# Altium PCB CABLE_JIG_TEST_PCB.PcbDoc (part 3 of 4)
Units mm, origin at the board's own origin, x right, y up, seen from the top; angles counter-clockwise.
Board outline 142.11 x 114.81 mm, 4 copper layers (Top Layer 1, Top Layer, Bottom Layer, Bottom Layer 1), stack 0.602 mm thick; 381 components, 359 nets, 1475 pads, 589 vias.
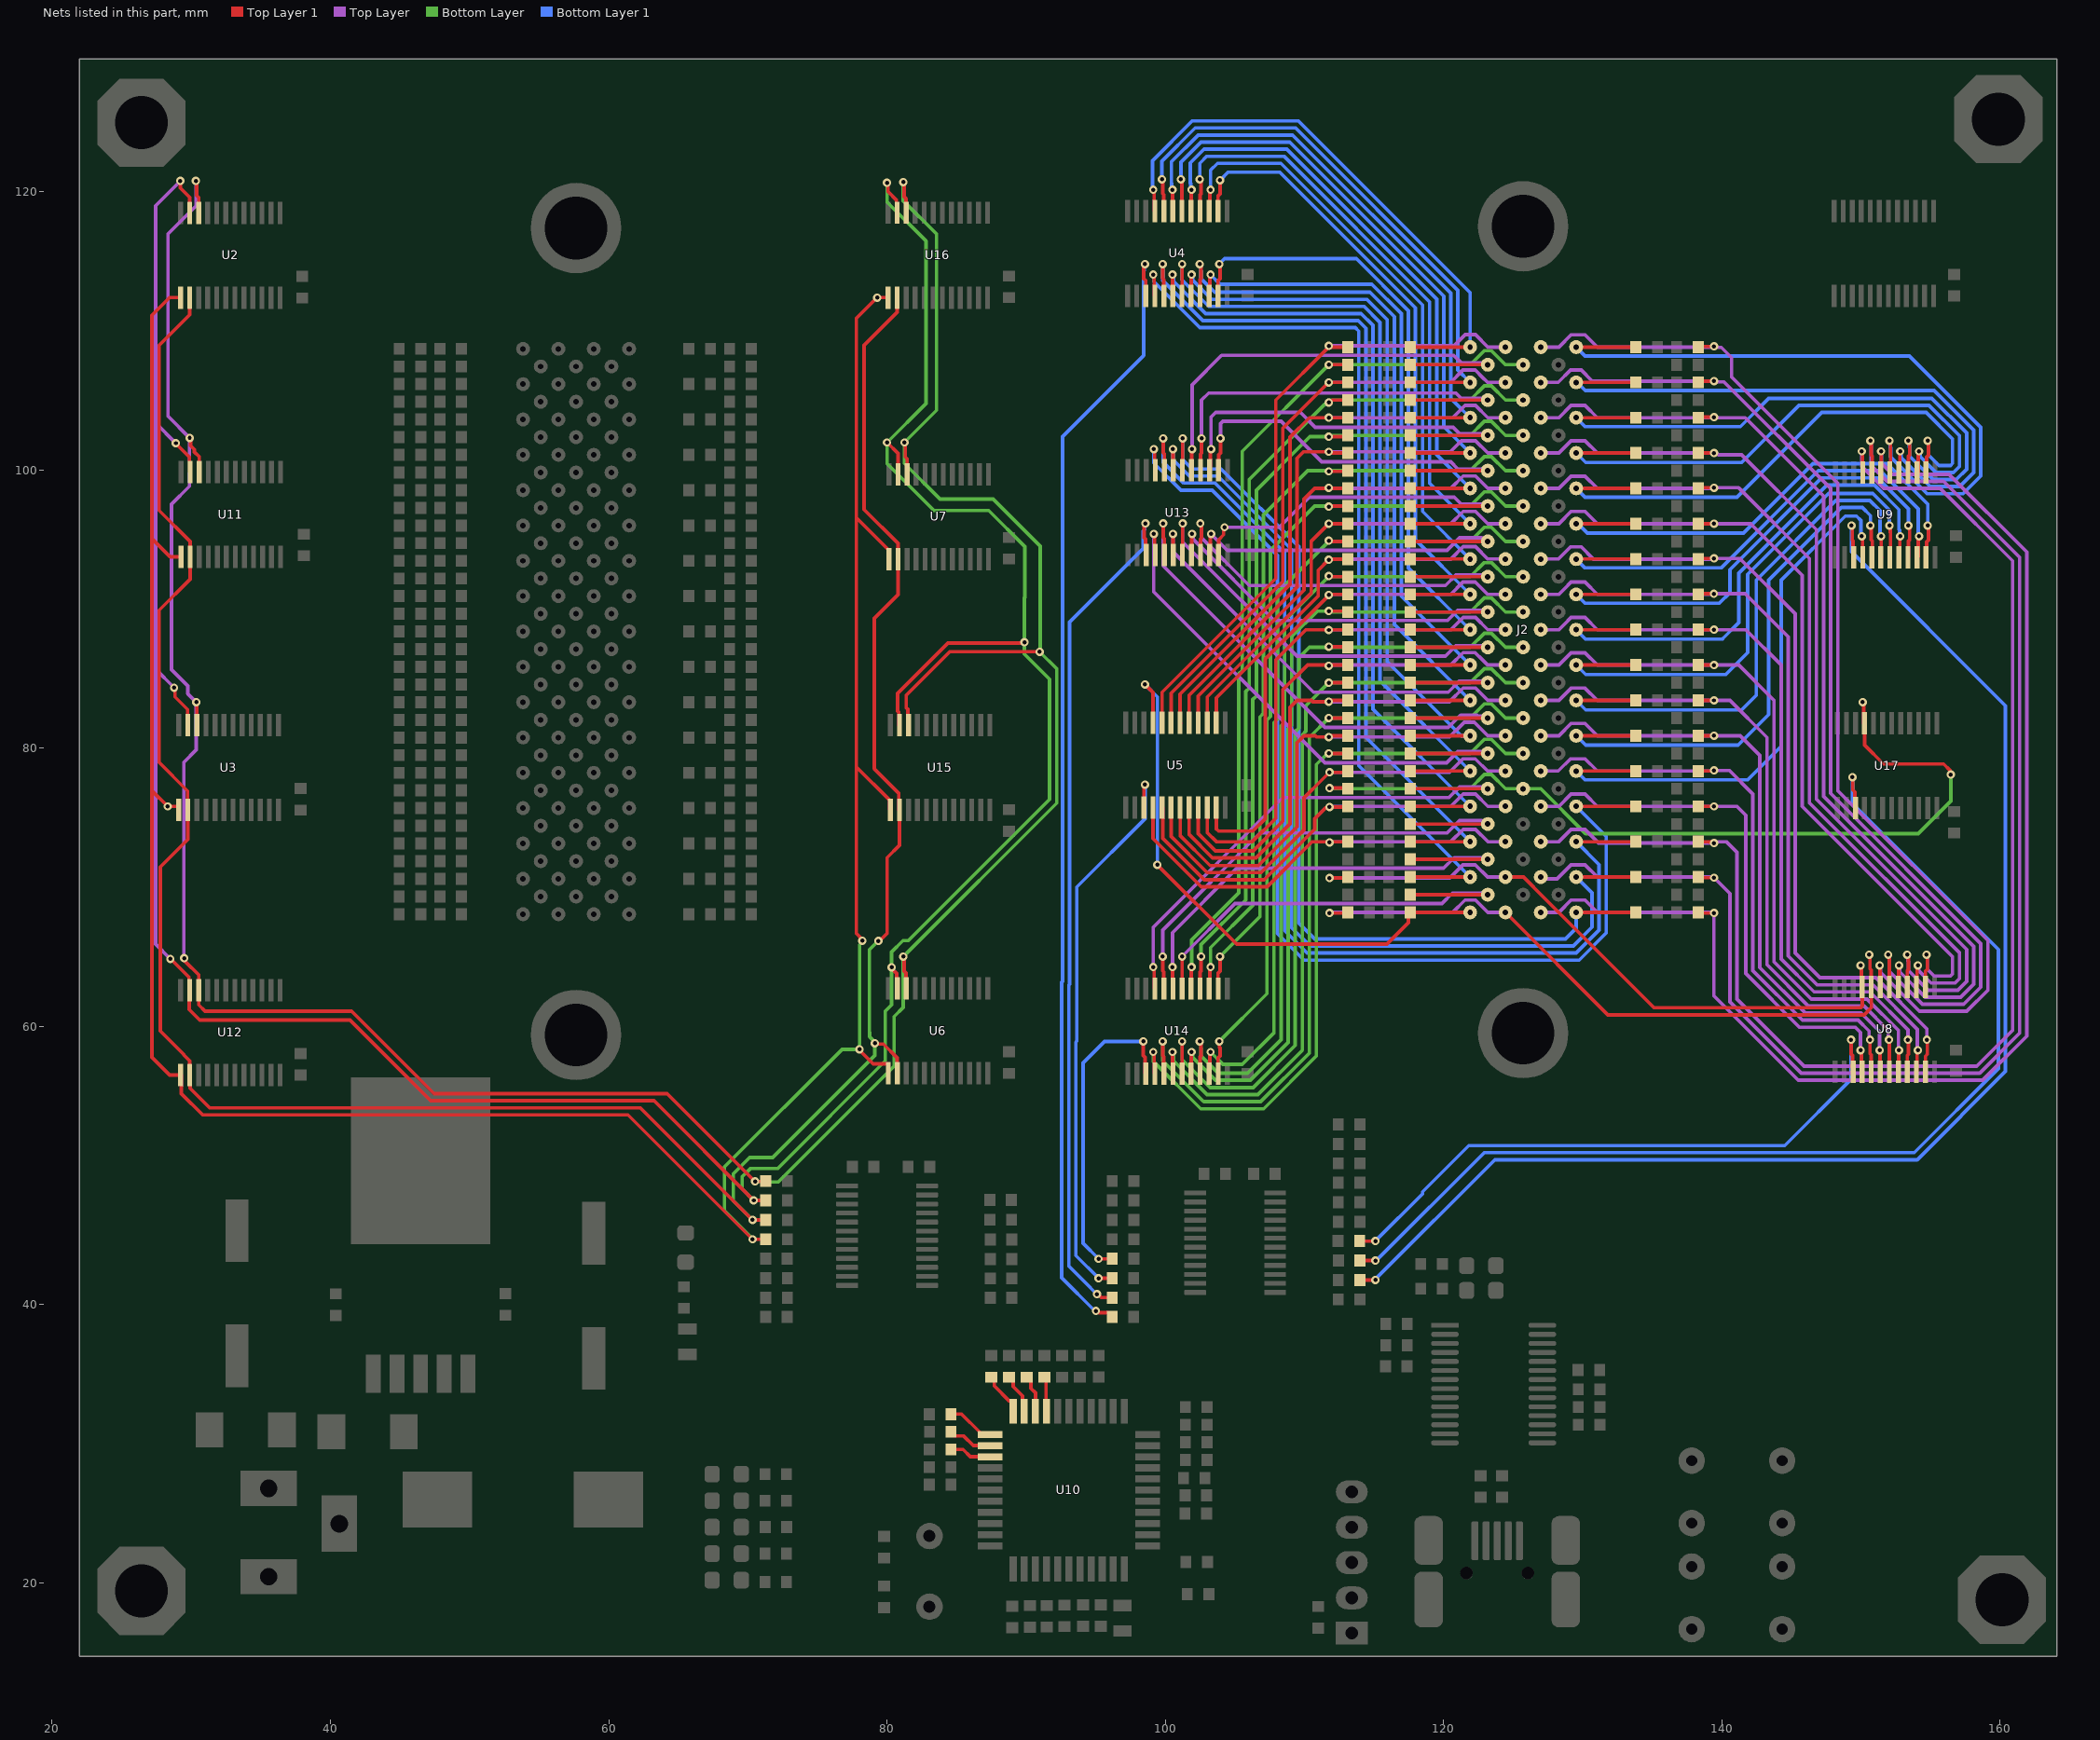
[diagram p5: the nets of this part, all layers, seen from the top]

## Via types
v1: diameter 0.6, hole 0.3, Top Layer 1 to Bottom Layer 1, 556 vias
v2: diameter 1, hole 0.5, Top Layer 1 to Bottom Layer 1, 33 vias

## Nets (pads, with @x,y where several pads share a name; then routed paths per layer and width w, separated by ;. In a path a pad name is that pad's centre, name@x,y a point inside that pad or via, vN(x,y) a via of type N, cw(c..) or ccw(c..) an arc to the next point about the centre after c; other vN are vias at no path point) (continued)
AS0: R236.1 U2.10 U3.10 U6.10 U7.10 U11.10 U12.10 U15.10 U16.10 | length 226.4
  Top Layer 1 w0.254: v1(29.49,64.902) 29.557,64.836 29.557,64.688 30.532,63.713 U12.10@30.532,62.615 30.532,61.543 30.988,61.087 41.529,61.087 47.45,55.166 64.207,55.166 v1(70.518,48.855) 71.259,48.855 R236.1@71.293,48.889 ; v1(29.884,102.302) 29.95,102.235 29.95,101.75 30.226,101.474 30.226,101.293 30.567,100.952 U11.10@30.567,99.854 ; v1(30.331,120.777) 30.388,120.72 30.388,119.733 30.532,119.589 U2.10@30.532,118.491 ; v1(30.353,83.312) 30.405,83.26 U3.10@30.405,81.661 ; v1(81.171,65.024) 81.228,64.967 81.228,63.98 81.372,63.836 U6.10@81.372,62.738 ; v1(81.178,120.694) 81.235,120.637 81.235,119.65 81.379,119.506 U16.10@81.379,118.408 ; v1(81.258,101.981) 81.315,101.924 81.315,100.937 81.459,100.793 U7.10@81.459,99.695 ; U15.10@81.532,81.663 81.495,81.7 81.495,82.798 81.388,82.904 81.388,83.801 84.525,86.938 v1(90.972,86.938)
  Top Layer w0.254: v1(29.49,64.902) 29.464,64.928 29.464,78.994 30.353,79.883 v1(30.353,83.312) 29.746,83.919 29.746,84.483 28.575,85.654 28.575,97.536 29.871,98.832 29.871,102.289 v1(29.884,102.302) 28.321,103.864 28.321,116.967 30.331,118.977 v1(30.331,120.777)
  Bottom Layer w0.254: v1(70.518,48.855) 70.552,48.821 72.189,48.821 80.518,57.15 80.518,60.714 81.171,61.367 v1(81.171,65.024) 92.202,76.055 92.202,85.708 v1(90.972,86.938) 91.013,86.978 91.013,94.534 87.63,97.917 83.82,97.917 81.258,100.479 v1(81.258,101.981) 83.566,104.289 83.566,116.967 81.178,119.355 v1(81.178,120.694)
AS1: R238.1 U2.11 U3.11 U6.11 U7.11 U11.11 U12.11 U15.11 U16.11 | length 233.6
  Top Layer 1 w0.254: v1(28.494,64.86) 28.505,64.86 29.832,63.534 29.832,62.665 U12.11@29.882,62.615 29.845,62.578 29.845,61.214 30.607,60.452 41.402,60.452 47.196,54.658 63.264,54.658 v1(70.426,47.496) 71.289,47.496 R238.1@71.293,47.492 ; v1(28.762,84.356) 28.829,84.29 28.829,84.045 28.829,83.693 29.737,82.785 U3.11@29.737,81.915 ; v1(28.888,101.931) 28.888,101.913 29.867,100.934 29.867,99.904 U11.11@29.917,99.854 U11.11@29.921,99.85 ; v1(29.21,120.777) 29.21,120.269 29.882,119.597 U2.11@29.882,118.491 ; v1(80.01,101.981) 80.794,101.197 U7.11@80.794,99.699 ; v1(80.01,120.65) 80.076,120.584 80.076,120.014 80.677,119.414 80.677,118.545 U16.11@80.727,118.495 U16.11@80.731,118.491 ; v1(80.341,64.253) 80.341,64.159 80.692,63.809 80.692,62.788 U6.11@80.742,62.738 ; U15.11@80.895,81.663 80.845,81.713 80.845,82.604 80.772,82.677 80.772,83.947 84.394,87.569 89.838,87.569 v1(89.887,87.619)
  Top Layer w0.254: v1(28.494,64.86) 28.481,64.86 27.432,65.909 27.432,85.686 ; v1(28.762,84.356) 27.432,85.686 ; v1(28.888,101.931) 27.432,103.387 ; v1(29.21,120.777) 27.432,118.999 27.432,103.387 ; 27.432,85.686 27.432,103.387
  Bottom Layer w0.254: v1(70.426,47.496) 69.596,48.326 69.596,49.199 70.181,49.784 72.136,49.784 79.883,57.531 79.883,61.087 80.341,61.545 v1(80.341,64.253) 80.341,65.355 81.153,66.167 81.534,66.167 91.694,76.327 91.694,84.963 89.887,86.77 v1(89.887,87.619) 89.887,90.807 89.916,90.836 89.916,94.488 87.313,97.091 83.376,97.091 80.01,100.457 v1(80.01,101.981) 82.804,104.775 82.804,116.459 80.01,119.253 v1(80.01,120.65)
AS2: R241.1 U2.14 U3.14 U6.14 U7.14 U11.14 U12.14 U15.14 U16.14 | length 186.9
  Top Layer 1 w0.254: U3.14@29.737,75.815 29.737,76.925 27.686,78.976 27.686,89.916 29.917,92.147 U11.14@29.917,93.754 ; U3.14@29.755,75.561 29.755,73.443 27.771,71.459 27.771,59.676 29.468,57.979 29.468,57.945 29.886,57.527 29.886,56.515 29.924,56.477 29.924,55.547 31.321,54.15 62.283,54.15 v1(70.338,46.095) R241.1@71.293,46.095 ; U2.14@29.882,112.391 29.882,111.162 27.686,108.966 27.686,97.095 29.921,94.86 U11.14@29.921,93.75 ; v1(79.13,58.795) 79.196,58.729 79.751,58.729 80.742,57.738 U6.14@80.742,56.638 ; v1(79.381,66.153) 79.475,66.153 80.01,66.688 80.01,72.136 80.895,73.021 U15.14@80.895,75.563 80.845,75.613 80.845,76.776 79.094,78.526 79.094,89.337 80.794,91.037 U7.14@80.794,93.599 80.794,94.72 78.359,97.155 78.359,108.966 80.727,111.334 U16.14@80.727,112.395
  Bottom Layer w0.254: v1(70.338,46.095) 68.961,47.472 68.961,49.403 70.129,50.571 71.78,50.571 79.13,57.921 v1(79.13,58.795) 79.13,58.889 78.755,59.264 78.755,59.563 78.74,59.578 78.74,65.512 v1(79.381,66.153)
AS3: R243.1 U2.13 U3.13 U6.13 U7.13 U11.13 U12.13 U15.13 U16.13 | length 197.4
  Top Layer 1 w0.254: U3.13@29.087,75.815 29.083,75.819 v1(28.303,75.819) 27.178,76.944 ; U2.13@29.232,112.391 29.228,112.395 28.448,112.395 27.178,111.125 27.178,95.063 ; U11.13@29.267,93.754 28.487,93.754 27.178,95.063 ; R243.1@71.293,44.698 v1(70.338,44.698) 61.394,53.642 30.813,53.642 29.282,55.173 29.282,56.465 U12.13@29.232,56.515 28.452,56.515 27.178,57.789 27.178,76.944 ; v1(78.033,58.355) 78.033,58.292 79.013,57.313 80.042,57.313 80.092,57.263 U6.13@80.092,56.638 ; v1(78.232,66.167) 78.232,66.261 77.805,66.688 77.805,78.659 ; U16.13@80.077,112.395 v1(79.297,112.395) 77.805,110.903 77.805,96.563 ; U7.13@80.144,93.599 80.144,94.224 77.805,96.563 ; U15.13@80.245,75.563 80.195,75.613 80.195,76.269 77.805,78.659 ; 27.178,76.944 27.178,95.063 ; 77.805,78.659 77.805,96.563
  Bottom Layer w0.254: v1(70.338,44.698) 70.338,44.752 68.326,46.764 68.326,49.911 76.77,58.355 v1(78.033,58.355) 78.033,65.875 78.232,66.073 v1(78.232,66.167)
B1_ENABLE: R260.1 U4.15 | length 82.5
  Top Layer 1 w0.254: v1(95.02,39.542) 95.113,39.542 95.241,39.415 95.919,39.415 96.185,39.148 R260.1@96.185,39.11 ; v1(98.552,114.804) 98.552,114.71 98.46,114.618 98.46,113.76 98.604,113.616 U4.15@98.604,112.518
  Bottom Layer 1 w0.254: v1(95.02,39.542) 94.957,39.542 92.568,41.931 92.568,63.188 92.629,63.249 92.629,102.408 98.46,108.239 98.46,114.324 98.486,114.35 98.486,114.738 v1(98.552,114.804)
B1_Z_MCU: R39.1 U10.22 | length 3.2
  Top Layer 1 w0.254: R39.1@87.503,34.785 87.713,34.575 87.713,34.159 88.772,33.1 88.946,33.1 89.073,32.973 U10.22@89.073,32.338
B1Y0: J2.A1 R10.1 U4.9 | length 41.2
  Top Layer 1 w0.254: v1(99.141,120.142) 99.204,120.079 99.204,118.668 U4.9@99.254,118.618 ; R10.1@117.488,108.839 117.489,108.84 J2.A1@121.92,108.84
  Bottom Layer 1 w0.254: v1(99.141,120.142) 99.084,120.199 99.084,122.234 101.945,125.095 109.582,125.095 121.92,112.757 J2.A1@121.92,108.84
B1Y1: J2.A2 R27.1 U4.8 | length 42.2
  Top Layer 1 w0.254: v1(99.765,120.904) 99.822,120.847 99.822,119.88 99.904,119.798 U4.8@99.904,118.618 ; R27.1@117.488,106.299 117.489,106.3 J2.A2@121.92,106.3
  Bottom Layer 1 w0.254: v1(99.765,120.904) 99.765,122.197 102.155,124.587 109.372,124.587 121.039,112.92 121.039,107.181 J2.A2@121.92,106.3
B1Y2: J2.A3 R11.1 U4.7 | length 43.1
  Top Layer 1 w0.254: v1(100.523,120.142) 100.539,120.126 100.539,118.633 U4.7@100.554,118.618 ; R11.1@117.488,103.759 117.489,103.76 J2.A3@121.92,103.76
  Bottom Layer 1 w0.254: v1(100.523,120.142) 100.457,120.208 100.457,120.611 100.446,120.622 100.446,122.159 102.366,124.079 109.161,124.079 120.531,112.709 120.531,105.149 J2.A3@121.92,103.76
B1Y3: J2.A4 R28.1 U4.6 | length 44.1
  Top Layer 1 w0.254: v1(101.127,120.904) 101.127,120.81 101.204,120.733 U4.6@101.204,118.618 ; R28.1@117.488,101.219 117.489,101.22 J2.A4@121.92,101.22
  Bottom Layer 1 w0.254: v1(101.127,120.904) 101.127,122.122 102.576,123.571 108.951,123.571 120.023,112.499 120.023,103.117 J2.A4@121.92,101.22
B1Y4: J2.A5 R12.1 U4.5 | length 45.1
  Top Layer 1 w0.254: U4.5@101.854,118.618 101.877,118.641 101.877,120.119 v1(101.9,120.142) ; R12.1@117.488,98.679 117.489,98.68 J2.A5@121.92,98.68
  Bottom Layer 1 w0.254: v1(101.9,120.142) 101.834,120.208 101.834,120.596 101.808,120.622 101.808,122.084 102.787,123.063 108.741,123.063 119.515,112.289 119.515,101.085 J2.A5@121.92,98.68
B1Y5: J2.A6 R29.1 U4.4 | length 46.1
  Top Layer 1 w0.254: v1(102.489,120.904) 102.489,120.81 102.581,120.718 102.581,119.86 102.504,119.783 U4.4@102.504,118.618 ; R29.1@117.488,96.139 117.489,96.14 J2.A6@121.92,96.14
  Bottom Layer 1 w0.254: v1(102.489,120.904) 102.489,122.047 102.997,122.555 108.53,122.555 119.007,112.078 119.007,99.053 J2.A6@121.92,96.14
B1Y6: J2.A7 R13.1 U4.3 | length 46.8
  Top Layer 1 w0.254: U4.3@103.154,118.618 103.204,118.668 103.204,120.084 v1(103.262,120.142) ; R13.1@117.488,93.599 117.489,93.6 J2.A7@121.92,93.6
  Bottom Layer 1 w0.254: v1(103.262,120.142) 103.262,121.55 103.759,122.047 108.32,122.047 118.499,111.868 118.499,97.021 J2.A7@121.92,93.6
B1Y7: J2.A8 R30.1 U4.2 | length 47.3
  Top Layer 1 w0.254: U4.2@103.804,118.618 103.804,119.721 103.943,119.86 v1(103.943,120.831) ; R30.1@117.488,91.059 117.489,91.06 J2.A8@121.92,91.06
  Bottom Layer 1 w0.254: v1(103.943,120.831) 104.524,121.412 108.236,121.412 117.991,111.657 117.991,94.989 J2.A8@121.92,91.06
B1Y8: J2.A9 R14.1 U4.23 | length 46.9
  Top Layer 1 w0.254: U4.23@103.804,112.518 103.804,113.621 103.943,113.76 103.943,114.747 v1(103.886,114.804) ; R14.1@117.488,88.519 117.489,88.52 J2.A9@121.92,88.52
  Bottom Layer 1 w0.254: v1(103.886,114.804) 104.271,115.189 113.741,115.189 117.483,111.447 117.483,92.957 J2.A9@121.92,88.52
B1Y9: J2.A10 R31.1 U4.22 | length 48.2
  Top Layer 1 w0.254: U4.22@103.154,112.518 103.204,112.568 103.204,113.985 v1(103.262,114.042) ; R31.1@117.488,85.979 117.489,85.98 J2.A10@121.92,85.98
  Bottom Layer 1 w0.254: v1(103.262,114.042) 103.943,113.361 114.85,113.361 116.975,111.237 116.975,90.925 J2.A10@121.92,85.98
B1Y10: J2.A11 R15.1 U4.21 | length 52.7
  Top Layer 1 w0.254: v1(102.489,114.804) 102.489,114.71 102.581,114.618 102.581,113.76 102.504,113.683 U4.21@102.504,112.518 ; R15.1@117.488,83.439 117.489,83.44 J2.A11@121.92,83.44
  Bottom Layer 1 w0.254: v1(102.489,114.804) 102.555,114.738 102.555,114.35 102.581,114.324 102.581,113.76 103.565,112.776 114.717,112.776 116.467,111.026 116.467,88.893 J2.A11@121.92,83.44
B1Y11: J2.A12 R32.1 U4.20 | length 54.3
  Top Layer 1 w0.254: U4.20@101.854,112.518 101.877,112.541 101.877,114.019 v1(101.9,114.042) ; R32.1@117.488,80.899 117.489,80.9 J2.A12@121.92,80.9
  Bottom Layer 1 w0.254: v1(101.9,114.042) 101.966,113.976 101.966,113.656 103.355,112.268 114.507,112.268 115.951,110.824 115.951,86.233 121.284,80.9 J2.A12@121.92,80.9
B1Y12: J2.A13 R16.1 U4.19 | length 58.3
  Top Layer 1 w0.254: U4.19@101.204,112.518 101.211,112.526 101.211,114.797 v1(101.219,114.804) ; R16.1@117.488,78.359 117.489,78.36 J2.A13@121.92,78.36
  Bottom Layer 1 w0.254: v1(101.219,114.804) 101.219,113.665 103.124,111.76 113.919,111.76 114.296,111.76 115.443,110.613 115.443,110.236 115.443,84.837 J2.A13@121.92,78.36
B1Y13: J2.A14 R33.1 U4.18 | length 59.6
  Top Layer 1 w0.254: v1(100.523,114.042) 100.539,114.027 100.539,112.534 U4.18@100.554,112.518 ; R33.1@117.488,75.819 117.489,75.82 J2.A14@121.92,75.82
  Bottom Layer 1 w0.254: v1(100.523,114.042) 100.589,113.976 100.589,113.576 102.914,111.252 112.776,111.252 114.086,111.252 114.935,110.403 114.935,109.093 114.935,82.805 J2.A14@121.92,75.82
B1Y14: J2.A15 R17.1 U4.17 | length 64
  Top Layer 1 w0.254: v1(99.822,114.804) 99.822,113.78 99.904,113.698 U4.17@99.904,112.518 ; R17.1@117.488,73.279 117.489,73.28 J2.A15@121.92,73.28
  Bottom Layer 1 w0.254: v1(99.822,114.804) 99.822,113.625 102.703,110.744 112.522,110.744 113.875,110.744 114.427,110.192 114.427,108.839 114.427,80.773 J2.A15@121.92,73.28
B1Y15: J2.A16 R34.1 U4.16 | length 65.3
  Top Layer 1 w0.254: v1(99.141,114.042) 99.204,113.98 99.204,112.568 U4.16@99.254,112.518 ; R34.1@117.488,70.739 117.489,70.74 J2.A16@121.92,70.74
  Bottom Layer 1 w0.254: v1(99.141,114.042) 99.207,113.976 99.207,113.522 102.493,110.236 113.665,110.236 113.919,109.982 113.919,78.741 J2.A16@121.92,70.74
B2_ENABLE: R252.1 U5.15 | length 40.9
  Top Layer 1 w0.254: v1(95.22,41.894) 96.175,41.894 R252.1@96.185,41.904 ; U5.15@98.473,75.732 98.473,77.312 v1(98.548,77.387)
  Bottom Layer 1 w0.254: v1(95.22,41.894) 93.584,43.53 93.584,58.875 93.645,58.936 93.645,70.023 98.548,74.926 v1(98.548,77.387)
B2_Z_MCU: R40.1 U10.20 | length 2.7
  Top Layer 1 w0.254: R40.1@90.043,34.785 90.081,34.785 90.348,34.519 90.348,33.985 90.673,33.66 U10.20@90.673,32.338
B2Y0: J2.A17 R18.1 U5.9 | length 42.6
  Top Layer 1 w0.254: v1(98.552,84.582) 99.123,84.01 U5.9@99.123,81.832 ; v1(99.428,71.618) 105.132,65.913 115.951,65.913 117.489,67.451 117.489,68.2 J2.A17@121.92,68.2
  Bottom Layer 1 w0.254: v1(98.552,84.582) 99.441,83.693 99.441,71.631 v1(99.428,71.618)
B2Y1: J2.B1 R50.1 U5.8 | length 46.8
  Top Layer 1 w0.254: U5.8@99.777,81.788 99.777,84.029 107.95,92.202 107.95,105.029 v1@111.76,108.839 ; v1(111.76,108.931) v1@111.76,108.839 ; R50.1@113.017,108.839 v1@111.76,108.839
  Top Layer w0.254: v1(111.76,108.931) 120.765,108.931 121.039,109.205 121.562,109.728 122.301,109.728 123.189,108.84 J2.B1@124.46,108.84
B2Y2: J2.B2 R67.1 U5.7 | length 43.8
  Top Layer 1 w0.254: U5.7@100.427,81.788 100.427,83.961 108.458,91.992 108.458,102.997 v1(111.76,106.299) R67.1@113.017,106.299
  Top Layer w0.254: v1@111.887,106.299 120.523,106.299 121.405,107.181 122.285,107.181 122.801,106.665 123.166,106.3 J2.B2@124.46,106.3
B2Y3: J2.B3 R51.1 U5.6 | length 41.8
  Top Layer 1 w0.254: U5.6@101.092,81.803 101.073,81.822 101.073,83.888 108.966,91.781 108.966,102.362 110.363,103.759 v1(111.76,103.759) R51.1@113.017,103.759
  Top Layer w0.254: v1@111.887,103.759 120.673,103.759 121.555,104.641 122.308,104.641 123.189,103.76 J2.B3@124.46,103.76
B2Y4: J2.B4 R68.1 U5.5 | length 39.4
  Top Layer 1 w0.254: U5.5@101.727,81.788 101.727,83.824 109.474,91.571 109.474,100.838 109.947,101.311 v1(111.76,101.311) ; v1@111.76,101.219 R68.1@113.017,101.219
  Top Layer w0.254: v1(111.76,101.311) 120.488,101.311 121.278,102.101 122.308,102.101 123.189,101.22 J2.B4@124.46,101.22
B2Y5: J2.B5 R52.1 U5.4 | length 36.1
  Top Layer 1 w0.254: U5.4@102.377,81.788 102.377,83.755 109.982,91.36 109.982,97.917 110.744,98.679 111.714,98.679 v1(111.76,98.725) ; v1@111.76,98.679 R52.1@113.017,98.679
  Top Layer w0.254: v1(111.76,98.725) 111.806,98.679 120.523,98.679 121.412,99.568 122.301,99.568 123.189,98.68 J2.B5@124.46,98.68
B2Y6: J2.B6 R69.1 U5.3 | length 32.5
  Top Layer 1 w0.254: U5.3@103.027,81.788 103.027,83.687 110.49,91.15 110.49,94.869 v1(111.76,96.139) 112.497,96.139 R69.1@113.017,96.139
  Top Layer w0.254: v1@111.887,96.139 120.523,96.139 121.412,97.028 122.301,97.028 123.189,96.14 J2.B6@124.46,96.14
B2Y7: J2.B7 R53.1 U5.2 | length 29.8
  Top Layer 1 w0.254: U5.2@103.677,81.788 103.677,83.618 110.998,90.939 110.998,92.791 v1(111.76,93.553) ; v1@111.76,93.599 R53.1@113.017,93.599
  Top Layer w0.254: v1(111.76,93.553) 111.806,93.599 120.523,93.599 121.412,94.488 122.301,94.488 123.189,93.6 J2.B7@124.46,93.6
B2Y8: J2.B8 R70.1 U5.23 | length 38.1
  Top Layer 1 w0.254: U5.23@103.677,75.688 103.677,74.19 103.826,74.041 106.299,74.041 107.188,74.93 107.188,86.411 111.76,90.983 v1(111.76,91.013) ; v1@111.76,91.059 112.497,91.059 R70.1@113.017,91.059
  Top Layer w0.254: v1(111.76,91.013) 111.806,91.059 120.523,91.059 121.405,91.941 122.285,91.941 123.166,91.06 J2.B8@124.46,91.06
B2Y9: J2.B9 R54.1 U5.22 | length 38.5
  Top Layer 1 w0.254: U5.22@103.027,75.688 103.027,73.924 103.672,73.279 106.255,73.279 107.95,74.974 107.95,86.36 110.109,88.519 111.739,88.519 v1(111.76,88.498) ; v1@111.76,88.519 R54.1@113.017,88.519
  Top Layer w0.254: v1(111.76,88.498) 111.781,88.519 120.523,88.519 121.412,89.408 122.301,89.408 123.189,88.52 J2.B9@124.46,88.52
B2Y10: J2.B10 R71.1 U5.21 | length 37.5
  Top Layer 1 w0.254: U5.21@102.377,75.688 102.377,73.855 103.61,72.622 106.317,72.622 108.458,74.763 108.458,84.201 110.236,85.979 111.714,85.979 v1(111.76,85.933) ; v1@111.76,85.979 R71.1@113.017,85.979
  Top Layer w0.254: v1(111.76,85.933) 111.806,85.979 120.523,85.979 121.412,86.868 122.278,86.868 122.801,86.345 123.166,85.98 J2.B10@124.46,85.98
B2Y11: J2.B11 R55.1 U5.20 | length 37
  Top Layer 1 w0.254: U5.20@101.727,75.688 101.727,73.787 103.4,72.114 106.527,72.114 108.966,74.553 108.966,82.931 109.474,83.439 110.524,83.439 110.616,83.347 v1(111.76,83.347) ; v1@111.76,83.439 R55.1@113.017,83.439
  Top Layer w0.254: v1(111.76,83.347) 120.431,83.347 121.412,84.328 122.301,84.328 123.189,83.44 J2.B11@124.46,83.44
B2Y12: J2.B12 R72.1 U5.19 | length 35.8
  Top Layer 1 w0.254: U5.19@101.077,75.688 101.077,73.719 103.231,71.564 106.696,71.564 109.474,74.342 109.474,80.391 109.982,80.899 110.778,80.899 110.87,80.807 v1(111.76,80.807) ; v1@111.76,80.899 R72.1@113.017,80.899
  Top Layer w0.254: v1(111.76,80.807) 120.431,80.807 121.497,81.873 122.216,81.873 123.189,80.9 J2.B12@124.46,80.9
B2Y13: J2.B13 R56.1 U5.18 | length 33.5
  Top Layer 1 w0.254: U5.18@100.427,75.688 100.427,73.65 103.021,71.056 106.907,71.056 109.982,74.132 109.982,76.443 111.304,77.765 v1(111.806,78.267) ; v1@111.852,78.313 111.898,78.267 112.925,78.267 R56.1@113.017,78.359
  Top Layer w0.254: v1(111.806,78.267) 120.431,78.267 121.405,79.241 122.285,79.241 123.166,78.36 J2.B13@124.46,78.36
B2Y14: J2.B14 R73.1 U5.17 | length 32.6
  Top Layer 1 w0.254: U5.17@99.773,75.732 99.822,75.683 99.822,73.533 102.741,70.614 102.745,70.614 102.81,70.549 107.117,70.549 110.744,74.175 110.744,74.93 111.521,75.707 111.74,75.707 v1(111.806,75.773) ; v1@111.852,75.773 112.971,75.773 R73.1@113.017,75.819
  Top Layer w0.254: v1(111.806,75.773) 111.852,75.819 120.523,75.819 121.412,76.708 122.301,76.708 123.189,75.82 J2.B14@124.46,75.82
B2Y15: J2.B15 R57.1 U5.16 | length 32.3
  Top Layer 1 w0.254: U5.16@99.127,75.688 99.127,73.51 102.596,70.04 107.327,70.04 110.566,73.279 v1@111.76,73.279 ; v1(111.806,73.233) v1@111.76,73.279 ; R57.1@113.017,73.279 v1@111.76,73.279
  Top Layer w0.254: v1(111.806,73.233) 111.852,73.279 120.523,73.279 121.412,74.168 122.301,74.168 123.189,73.28 J2.B15@124.46,73.28
B3_ENABLE: R261.2 U8.15 | length 45.4
  Top Layer 1 w0.254: R261.2@113.993,44.561 114.003,44.571 v1(115.108,44.571) ; v1(149.3,59.051) 149.3,58.007 149.398,57.909 149.398,56.803 U8.15@149.448,56.753
  Bottom Layer 1 w0.254: v1(115.108,44.571) 118.499,47.962 118.499,48.111 121.823,51.435 144.526,51.435 149.3,56.209 v1(149.3,59.051)
B3_Z_MCU: R83.1 U10.23 | length 3.5
  Top Layer 1 w0.254: R83.1@84.595,32.131 85.369,32.131 86.642,30.859 86.642,30.796 86.769,30.669 U10.23@87.404,30.669
B3Y0: J2.B16 R74.1 U8.9 | length 47.2
  Top Layer 1 w0.254: v1(111.806,70.668) 112.946,70.668 R74.1@113.017,70.739 ; J2.B16@124.46,70.74 J2.B16@124.46,70.74 125.755,70.739 127.237,69.257 135.152,61.341 149.965,61.341 150.114,61.49 U8.9@150.114,62.865 ; v1(149.981,64.389) 150.044,64.326 150.044,62.915 U8.9@150.094,62.865
  Top Layer w0.254: v1(111.806,70.668) 120.452,70.668 121.405,71.621 122.285,71.621 123.166,70.74 J2.B16@124.46,70.74
B3Y1: J2.B17 R58.1 U8.8 | length 48.1
  Top Layer 1 w0.254: v1(111.806,68.153) 112.971,68.153 R58.1@113.017,68.199 ; J2.B17@124.46,68.2 131.826,60.833 150.241,60.833 150.764,61.356 U8.8@150.764,62.865 ; v1(150.605,65.151) 150.662,65.094 150.662,64.127 150.744,64.045 U8.8@150.744,62.865
  Top Layer w0.254: v1(111.806,68.153) 111.852,68.199 120.673,68.199 121.555,69.081 122.308,69.081 123.189,68.2 J2.B17@124.46,68.2
B3Y2: J2.C1 R94.1 U8.7 | length 80.6
  Top Layer 1 w0.254: R94.1@138.316,108.839 138.362,108.885 v1(139.446,108.885) ; v1(151.363,64.389) 151.379,64.373 151.379,62.88 U8.7@151.394,62.865
  Top Layer w0.254: J2.C1@127,108.84 128.294,108.84 129.175,109.721 130.182,109.721 131.064,108.839 139.4,108.839 v1(139.446,108.885) 139.512,108.819 139.974,108.819 140.716,108.077 140.716,106.68 148.355,99.041 148.355,76.943 159.131,66.167 159.131,62.611 157.607,61.087 154.21,61.087 151.429,63.868 151.429,64.322 v1(151.363,64.389)